# Altium PCB AX7021B.PcbDoc (part 4 of 6)
Units mil, origin at the board's own origin, x right, y up, seen from the top; angles counter-clockwise.
Board outline 5906.91 x 4331.71 mil, 4 copper layers (TOP, SGND, SVCC, BOTTOM), stack 63 mil thick; 463 components, 582 nets, 2114 pads, 861 vias.
Unrouted connection lines stored in the file: 129.
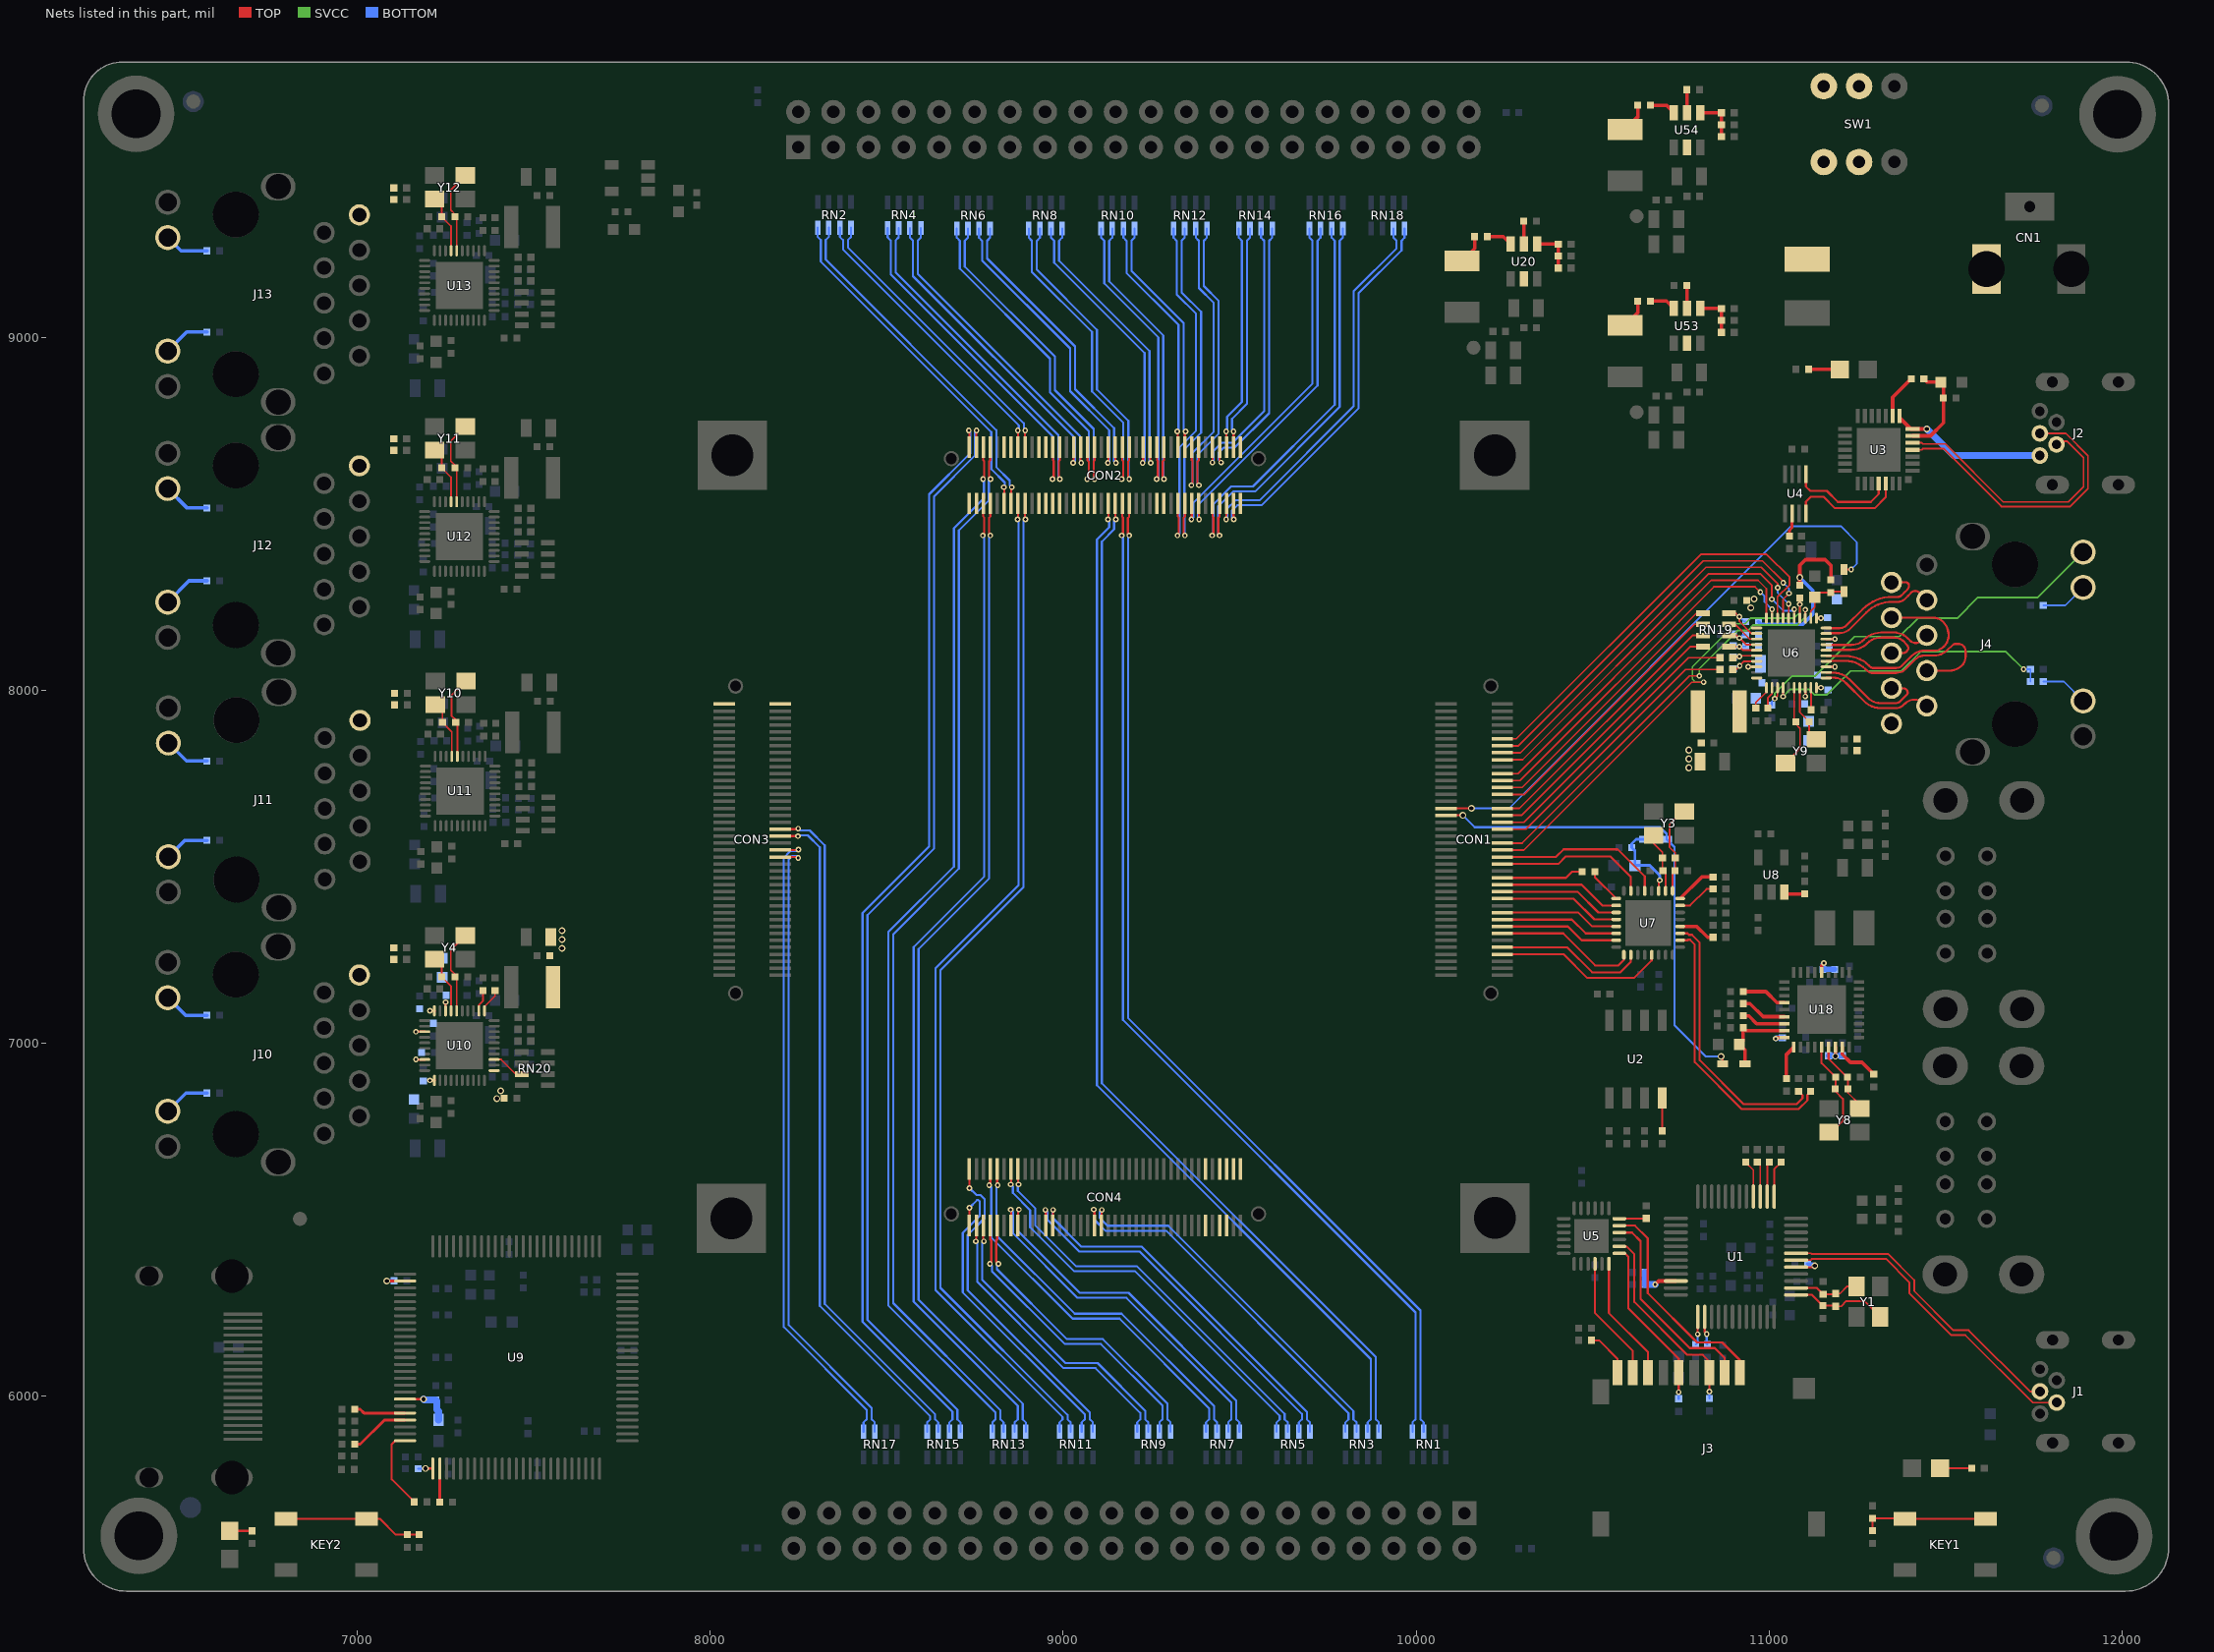
[diagram p6: the nets of this part, all layers, seen from the top]

## Via types
v1: diameter 16, hole 8, TOP to BOTTOM, 459 vias
v2: diameter 19, hole 12, TOP to BOTTOM, 320 vias
v3: diameter 19.69, hole 11.81, TOP to BOTTOM, 82 vias

## Nets (pads, with @x,y where several pads share a name; then routed paths per layer and width w, separated by ;. In a path a pad name is that pad's centre, name@x,y a point inside that pad or via, vN(x,y) a via of type N, cw(c..) or ccw(c..) an arc to the next point about the centre after c; other vN are vias at no path point) (continued)
IO1_2N: CON2.45 RN1.1 | length 2979.5
  TOP w6: v1(9166.4,8438.75) 9169.61,8441.96 9169.61,8490.26 9167.61,8492.26 CON2.45@9167.61,8529.5
  BOTTOM w6: v1(9166.4,8438.75) 9169.7,8435.45 9169.7,7066.52 9998.55,6237.67 9998.55,5935.12 9989.8,5926.37 RN1.1@9989.8,5900.43
IO1_2P: CON2.47 RN1.2 | length 2980.6
  TOP w6: CON2.47@9187.3,8529.5 9187.3,8492.33 9183.61,8488.64 9183.61,8442.54 v1(9187.4,8438.75)
  BOTTOM w6: v1(9187.4,8438.75) 9183.7,8435.05 9183.7,7072.32 10012.55,6243.47 10012.55,5935.12 10021.3,5926.37 RN1.2@10021.3,5900.43
IO1_3N: CON2.41 RN3.3 | length 2970.6
  TOP w6: v1(9127.05,8484.32) 9128.24,8485.51 CON2.41@9128.24,8529.5
  BOTTOM w6: v1(9127.05,8484.32) 9130.7,8480.67 9130.7,8462.12 9095.7,8427.12 9095.7,6881.52 9871.53,6105.69 9871.53,5935.12 9862.78,5926.37 RN3.3@9862.78,5900.43
IO1_3P: CON2.43 RN3.4 | length 2970.8
  TOP w6: CON2.43@9147.93,8529.5 9147.93,8485.44 v1(9149.05,8484.32)
  BOTTOM w6: v1(9149.05,8484.32) 9144.7,8479.97 9144.7,8456.32 9109.7,8421.32 9109.7,6887.32 9885.53,6111.49 9885.53,5935.12 9894.28,5926.37 RN3.4@9894.28,5900.43
IO1_4N: CON4.44 RN3.1 | length 1078.1
  TOP w6: v1(9086.7,6529.32) 9088.87,6527.15 CON4.44@9088.87,6484.5
  BOTTOM w6: v1(9086.7,6529.32) 9089.7,6526.32 9089.7,6499.32 9119.7,6469.32 9291.9,6469.32 9808.54,5952.68 9808.54,5935.12 9799.79,5926.37 RN3.1@9799.79,5900.43
IO1_4P: CON4.42 RN3.2 | length 1076.9
  TOP w6: CON4.42@9108.56,6484.5 9108.56,6527.18 v1(9109.7,6528.32)
  BOTTOM w6: v1(9109.7,6528.32) 9103.7,6522.32 9103.7,6505.12 9125.5,6483.32 9297.7,6483.32 9822.54,5958.48 9822.54,5935.12 9831.29,5926.37 RN3.2@9831.29,5900.43
IO1_5N: CON4.58 RN5.3 | length 1077.1
  TOP w6: v1(8949.7,6528.32) 8951.08,6526.94 CON4.58@8951.08,6484.5
  BOTTOM w6: v1(8949.7,6528.32) 8955.7,6522.32 8955.7,6500.52 9045.9,6410.32 9216.9,6410.32 9676.54,5950.68 9676.54,5935.12 9667.79,5926.37 RN5.3@9667.79,5900.43
IO1_5P: CON4.56 RN5.4 | length 1075.3
  TOP w6: CON4.56@8970.76,6484.5 8970.76,6527.38 v1(8971.7,6528.32)
  BOTTOM w6: v1(8971.7,6528.32) 8969.7,6526.32 8969.7,6506.32 9051.7,6424.32 9222.7,6424.32 9690.54,5956.48 9690.54,5935.12 9699.29,5926.37 RN5.4@9699.29,5900.43
IO1_6N: CON4.67 RN5.1 | length 1163.9
  TOP w6: v1(8851.7,6600.32) 8852.65,6601.27 CON4.67@8852.65,6643.94
  BOTTOM w6: v1(8851.7,6600.32) 8857.7,6594.32 8857.7,6576.52 8906.7,6527.52 8906.7,6479.52 9031.9,6354.32 9203.9,6354.32 9613.55,5944.67 9613.55,5935.12 9604.8,5926.37 RN5.1@9604.8,5900.43
IO1_6P: CON4.65 RN5.2 | length 1162.4
  TOP w6: CON4.65@8872.34,6643.94 8872.34,6601.68 v1(8873.7,6600.32)
  BOTTOM w6: v1(8873.7,6600.32) 8871.7,6598.32 8871.7,6582.32 8920.7,6533.32 8920.7,6485.32 9037.7,6368.32 9209.7,6368.32 9627.55,5950.47 9627.55,5935.12 9636.3,5926.37 RN5.2@9636.3,5900.43
IO1_7N: CON4.68 RN7.3 | length 1017.8
  TOP w6: v1(8851.7,6529.27) 8852.65,6528.32 CON4.68@8852.65,6484.5
  BOTTOM w6: v1(8851.7,6529.27) 8857.7,6523.27 8857.7,6462.52 9040.9,6279.32 9179.7,6279.32 9476.54,5982.48 9476.54,5935.12 9467.79,5926.37 RN7.3@9467.79,5900.43
IO1_7P: CON4.66 RN7.4 | length 1016.4
  TOP w6: CON4.66@8872.34,6484.5 8872.34,6526.96 v1(8874.7,6529.32)
  BOTTOM w6: v1(8874.7,6529.32) 8872.7,6527.32 8872.7,6467.32 9046.7,6293.32 9185.5,6293.32 9490.54,5988.28 9490.54,5935.12 9499.29,5926.37 RN7.4@9499.29,5900.43
IO1_8N: CON4.73 RN7.1 | length 1084.1
  TOP w6: v1(8790.7,6598.32) 8793.6,6601.22 CON4.73@8793.6,6643.94
  BOTTOM w6: v1(8790.7,6598.32) 8796.7,6592.32 8796.7,6450.52 9026.9,6220.32 9159.7,6220.32 9413.55,5966.47 9413.55,5935.12 9404.8,5926.37 RN7.1@9404.8,5900.43
IO1_8P: CON4.71 RN7.2 | length 1082.7
  TOP w6: CON4.71@8813.28,6643.94 8813.28,6599.74 v1(8814.7,6598.32)
  BOTTOM w6: v1(8814.7,6598.32) 8810.7,6594.32 8810.7,6456.32 9032.7,6234.32 9165.5,6234.32 9427.55,5972.27 9427.55,5935.12 9436.3,5926.37 RN7.2@9436.3,5900.43
IO1_9N: CON4.74 RN9.3 | length 852.7
  TOP w6: v1(8792.7,6375.32) 8796.44,6379.06 8796.44,6441.74 8793.6,6444.58 CON4.74@8793.6,6484.5
  BOTTOM w6: v1(8792.7,6375.32) 8798.7,6369.32 8798.7,6354.52 9004.9,6148.32 9106.9,6148.32 9281.54,5973.68 9281.54,5935.12 9272.79,5926.37 RN9.3@9272.79,5900.43
IO1_9P: CON4.72 RN9.4 | length 852.9
  TOP w6: CON4.72@8813.28,6484.5 8813.28,6444.58 8810.44,6441.74 8810.44,6381.58 v1(8816.7,6375.32)
  BOTTOM w6: v1(8816.7,6375.32) 8816.7,6375.22 8812.7,6371.22 8812.7,6360.32 9010.7,6162.32 9112.7,6162.32 9295.54,5979.48 9295.54,5935.12 9304.29,5926.37 RN9.4@9304.29,5900.43
IO1_10N: CON4.78 RN9.1 | length 834.6
  TOP w6: v1(8752.7,6439.32) 8754.23,6440.85 CON4.78@8754.23,6484.5
  BOTTOM w6: v1(8752.7,6439.32) 8756.7,6435.32 8756.7,6324.52 9000.9,6080.32 9091.9,6080.32 9218.55,5953.67 9218.55,5935.12 9209.8,5926.37 RN9.1@9209.8,5900.43
IO1_10P: CON4.76 RN9.2 | length 835.1
  TOP w6: CON4.76@8773.91,6484.5 8773.91,6441.11 v1(8775.7,6439.32)
  BOTTOM w6: v1(8775.7,6439.32) 8770.7,6434.32 8770.7,6330.32 9006.7,6094.32 9097.7,6094.32 9232.55,5959.47 9232.55,5935.12 9241.3,5926.37 RN9.2@9241.3,5900.43
IO1_11N: CON4.80 RN11.3 | length 908.6
  TOP w6: CON4.80@8734.54,6484.5 v1(8734.54,6534.48)
  BOTTOM w6: v1(8734.54,6534.48) 8756.38,6556.32 8759.9,6556.32 8763.7,6552.52 8763.7,6511.12 8715.7,6463.12 8715.7,6294.52 9061.54,5948.68 9061.54,5935.12 9052.79,5926.37 RN11.3@9052.79,5900.43
IO1_11P: CON4.79 RN11.4 | length 934.8
  TOP w6: v1(8734.54,6590.16) CON4.79@8734.54,6643.94
  BOTTOM w6: v1(8734.54,6590.16) 8754.38,6570.32 8765.7,6570.32 8777.7,6558.32 8777.7,6505.32 8729.7,6457.32 8729.7,6300.32 9075.54,5954.48 9075.54,5935.12 9084.29,5926.37 RN11.4@9084.29,5900.43
IO1_12N: CON2.15 RN11.1 | length 2880.6
  TOP w6: v1(8871.15,8484.32) 8872.34,8485.51 CON2.15@8872.34,8529.5
  BOTTOM w6: v1(8871.15,8484.32) 8873.7,8481.77 8873.7,7448.12 8638.7,7213.12 8638.7,6301.52 8998.55,5941.67 8998.55,5935.12 8989.8,5926.37 RN11.1@8989.8,5900.43
IO1_12P: CON2.17 RN11.2 | length 2881.8
  TOP w6: CON2.17@8892.02,8529.5 8892.03,8485.44 v1(8893.15,8484.32)
  BOTTOM w6: v1(8893.15,8484.32) 8887.7,8478.87 8887.7,7442.32 8652.7,7207.32 8652.7,6307.32 9012.55,5947.47 9012.55,5935.12 9021.3,5926.37 RN11.2@9021.3,5900.43
IO1_13N: CON2.5 RN13.3 | length 2841.5
  TOP w6: v1(8772.7,8438.75) 8775.91,8441.96 8775.91,8490.26 8773.91,8492.26 CON2.5@8773.91,8529.5
  BOTTOM w6: v1(8772.7,8438.75) 8776.7,8434.75 8776.7,7473.12 8576.7,7273.12 8576.7,6268.32 8871.53,5973.49 8871.53,5935.11 8862.78,5926.36 RN13.3@8862.78,5900.42
IO1_13P: CON2.7 RN13.4 | length 2842
  TOP w6: CON2.7@8793.6,8529.5 8793.6,8492.33 8789.91,8488.64 8789.91,8442.54 v1(8793.7,8438.75)
  BOTTOM w6: v1(8793.7,8438.75) 8790.7,8435.75 8790.7,7467.32 8590.7,7267.32 8590.7,6274.12 8885.53,5979.29 8885.53,5935.11 8894.28,5926.36 RN13.4@8894.28,5900.42
IO1_14N: CON2.6 RN13.1 | length 3033.7
  TOP w6: v1(8773.2,8598.45) 8776.47,8601.72 8776.47,8649.17 8773.91,8651.73 CON2.6@8773.91,8688.94
  BOTTOM w6: v1(8773.2,8598.45) 8775.7,8595.95 8775.7,8544.12 8690.7,8459.12 8690.7,7501.12 8504.7,7315.12 8504.7,6258.32 8808.54,5954.48 8808.54,5935.11 8799.79,5926.36 RN13.1@8799.79,5900.42
IO1_14P: CON2.8 RN13.2 | length 3035
  TOP w6: CON2.8@8793.6,8688.94 8793.6,8651.74 8790.47,8648.61 8790.47,8602.18 v1(8794.2,8598.45)
  BOTTOM w6: v1(8794.2,8598.45) 8789.7,8593.95 8789.7,8538.32 8704.7,8453.32 8704.7,7495.32 8518.7,7309.32 8518.7,6264.12 8822.54,5960.28 8822.54,5935.11 8831.29,5926.36 RN13.2@8831.29,5900.42
IO1_15N: CON2.2 RN15.3 | length 3121.6
  TOP w6: v1(8732.7,8736.5) 8734.54,8734.66 CON2.2@8734.54,8688.94
  BOTTOM w6: RN15.3@8677.78,5900.42 8677.78,5926.36 8686.53,5935.11 8686.53,5956.49 8431.7,6211.32 8431.7,7369.32 8620.7,7558.32 8620.7,8555.32 8736.7,8671.32 8736.7,8732.5 v1(8732.7,8736.5)
IO1_15P: CON2.4 RN15.4 | length 3120.6
  TOP w6: CON2.4@8754.23,8688.94 8754.23,8735.85 v1(8754.7,8736.32)
  BOTTOM w6: RN15.4@8709.28,5900.42 8709.28,5926.36 8700.53,5935.11 8700.53,5962.29 8445.7,6217.12 8445.7,7363.52 8634.7,7552.52 8634.7,8549.52 8750.7,8665.52 8750.7,8732.32 v1(8754.7,8736.32)
IO1_16N: CON3.41 RN15.1 | length 1914.7
  TOP w6: CON3.41@8199.12,7587.06 v1(8248.96,7587.06)
  BOTTOM w6: v1(8248.96,7587.06) 8251.22,7589.32 8276.66,7589.32 8310.77,7555.21 8310.77,6256.45 8623.54,5943.68 8623.54,5935.11 8614.79,5926.36 RN15.1@8614.79,5900.42
IO1_16P: CON3.43 RN15.2 | length 1939.7
  TOP w6: CON3.43@8199.12,7606.75 8248.13,7606.75 v1(8249.7,7608.32)
  BOTTOM w6: v1(8249.7,7608.32) 8254.7,7603.32 8282.46,7603.32 8324.77,7561.01 8324.77,6262.25 8637.54,5949.48 8637.54,5935.11 8646.29,5926.36 RN15.2@8646.29,5900.42
IO1_17N: CON3.37 RN17.1 | length 1829.2
  TOP w6: CON3.37@8199.12,7547.69 8249.33,7547.69 v1(8250.33,7548.69)
  BOTTOM w6: v1(8250.33,7548.69) 8245.96,7544.32 8226.7,7544.32 8208.81,7526.43 8208.81,6196.41 8443.54,5961.68 8443.54,5935.11 8434.79,5926.36 RN17.1@8434.79,5900.42
IO1_17P: CON3.35 RN17.2 | length 1805.7
  TOP w6: CON3.35@8199.12,7528.01 8247.01,7528.01 v1(8249.7,7525.32)
  BOTTOM w6: v1(8249.7,7525.32) 8244.7,7530.32 8232.5,7530.32 8222.81,7520.63 8222.81,6202.21 8457.54,5967.48 8457.54,5935.11 8466.29,5926.36 RN17.2@8466.29,5900.42
IO2_1N: CON2.13 RN2.3 | length 1003.6
  TOP w6: CON2.13@8852.65,8529.5 8852.65,8573.27 v1(8854.7,8575.32)
  BOTTOM w6: RN2.3@8336.29,9310.27 8336.29,9284.33 8327.54,9275.58 8327.54,9220.48 8810.7,8737.32 8810.7,8632.32 8848.7,8594.32 8848.7,8581.32 v1(8854.7,8575.32)
IO2_1P: CON2.11 RN2.4 | length 1002
  TOP w6: v1(8831.7,8575.32) 8832.97,8574.05 CON2.11@8832.97,8529.5
  BOTTOM w6: RN2.4@8304.79,9310.27 8304.79,9284.33 8313.54,9275.58 8313.54,9214.68 8796.7,8731.52 8796.7,8626.52 8834.7,8588.52 8834.7,8578.42 8831.7,8575.42 v1(8831.7,8575.32)
IO2_2N: CON2.18 RN2.1 | length 833.2
  TOP w6: CON2.18@8892.02,8688.94 8892.02,8735.64 v1(8892.7,8736.32)
  BOTTOM w6: RN2.1@8399.28,9310.27 8399.28,9284.33 8390.53,9275.58 8390.53,9254.49 8888.7,8756.32 8888.7,8740.32 v1(8892.7,8736.32)
IO2_2P: CON2.16 RN2.2 | length 833.4
  TOP w6: v1(8871.7,8736.32) 8872.34,8735.68 CON2.16@8872.34,8688.94
  BOTTOM w6: RN2.2@8367.78,9310.27 8367.78,9284.33 8376.53,9275.58 8376.53,9248.69 8874.7,8750.52 8874.7,8738.32 8872.7,8736.32 v1(8871.7,8736.32)
IO2_3N: CON2.28 RN4.3 | length 1000.6
  TOP w6: CON2.28@8990.45,8688.94 8990.45,8671.26 8990.44,8651.73 8987.47,8648.76 8987.47,8601.3 v1(8990.58,8598.19)
  BOTTOM w6: RN4.3@8534.29,9309.28 8534.29,9283.34 8525.54,9274.59 8525.54,9184.48 8986.7,8723.32 8986.7,8602.07 v1(8990.58,8598.19)
IO2_3P: CON2.26 RN4.4 | length 1000.5
  TOP w6: v1(8969.58,8598.19) 8973.47,8602.08 8973.47,8649.02 8970.76,8651.73 CON2.26@8970.76,8688.94
  BOTTOM w6: RN4.4@8502.79,9309.28 8502.79,9283.34 8511.54,9274.59 8511.54,9178.68 8972.7,8717.52 8972.7,8601.31 v1(8969.58,8598.19)
IO2_4N: CON2.34 RN4.1 | length 905.8
  TOP w6: CON2.34@9049.5,8688.94 9049.5,8673.26 9049.49,8646.07 v1(9051.31,8644.25)
  BOTTOM w6: RN4.1@8597.28,9309.28 8597.28,9283.34 8588.53,9274.59 8588.53,9179.29 9047.7,8720.12 9047.7,8647.86 v1(9051.31,8644.25)
IO2_4P: CON2.32 RN4.2 | length 906.4
  TOP w6: v1(9028.31,8644.25) 9029.81,8645.75 9029.81,8671.25 CON2.32@9029.82,8688.94
  BOTTOM w6: RN4.2@8565.78,9309.28 8565.78,9283.34 8574.53,9274.59 8574.53,9173.49 9033.7,8714.32 9033.7,8649.64 v1(9028.31,8644.25)
IO2_5N: CON2.38 RN6.3 | length 958.7
  TOP w6: CON2.38@9088.87,8688.94 9088.87,8671.26 9088.86,8651.73 9086.47,8649.34 9086.47,8600.72 v1(9089,8598.19)
  BOTTOM w6: RN6.3@8730.29,9308.28 8730.29,9282.34 8721.54,9273.59 8721.54,9200.48 8976.7,8945.32 8976.7,8850.32 9086.7,8740.32 9086.7,8600.49 v1(9089,8598.19)
IO2_5P: CON2.36 RN6.4 | length 960.9
  TOP w6: v1(9068,8598.19) 9072.47,8602.66 9072.47,8648.44 9069.18,8651.73 9069.18,8669.25 CON2.36@9069.19,8688.94
  BOTTOM w6: RN6.4@8698.79,9308.28 8698.79,9282.34 8707.54,9273.59 8707.54,9194.68 8962.7,8939.52 8962.7,8844.52 9072.7,8734.52 9072.7,8602.89 v1(9068,8598.19)
IO2_6N: CON2.44 RN6.1 | length 864.4
  TOP w6: CON2.44@9147.93,8688.94 9147.91,8646.07 v1(9149.73,8644.25)
  BOTTOM w6: RN6.1@8793.28,9308.28 8793.28,9282.34 8784.53,9273.59 8784.53,9223.49 9033.7,8974.32 9033.7,8853.32 9144.7,8742.32 9144.7,8649.28 v1(9149.73,8644.25)
IO2_6P: CON2.42 RN6.2 | length 863.8
  TOP w6: v1(9126.73,8644.25) 9128.23,8645.75 9128.23,8678.25 CON2.42@9128.24,8688.94
  BOTTOM w6: RN6.2@8761.78,9308.28 8761.78,9282.34 8770.53,9273.59 8770.53,9217.69 9019.7,8968.52 9019.7,8847.52 9130.7,8736.52 9130.7,8648.22 v1(9126.73,8644.25)
IO2_7N: CON2.48 RN8.3 | length 915.3
  TOP w6: CON2.48@9187.3,8688.94 9187.3,8680.27 9187.28,8651.73 9184.47,8648.92 9184.47,8601.14 v1(9187.42,8598.19)
  BOTTOM w6: RN8.3@8934.29,9308.28 8934.29,9282.34 8925.54,9273.59 8925.54,9191.28 9095.7,9021.12 9095.7,8852.32 9184.7,8763.32 9184.7,8600.91 v1(9187.42,8598.19)
IO2_7P: CON2.46 RN8.4 | length 916.5
  TOP w6: v1(9166.42,8598.19) 9170.47,8602.24 9170.47,8648.86 9167.6,8651.73 9167.6,8680.25 CON2.46@9167.61,8688.94
  BOTTOM w6: RN8.4@8902.79,9308.28 8902.79,9282.34 8911.54,9273.59 8911.54,9185.48 9081.7,9015.32 9081.7,8846.52 9170.7,8757.52 9170.7,8602.47 v1(9166.42,8598.19)
IO2_8N: CON2.54 RN8.1 | length 820.6
  TOP w6: CON2.54@9246.35,8688.94 9246.35,8681.27 9246.33,8646.07 v1(9248.15,8644.25)
  BOTTOM w6: RN8.1@8997.28,9308.28 8997.28,9282.34 8988.53,9273.59 8988.53,9217.29 9244.7,8961.12 9244.7,8647.7 v1(9248.15,8644.25)
IO2_8P: CON2.52 RN8.2 | length 821.4
  TOP w6: v1(9225.15,8644.25) 9226.65,8645.75 9226.65,8679.25 CON2.52@9226.67,8688.94
  BOTTOM w6: RN8.2@8965.78,9308.28 8965.78,9282.34 8974.53,9273.59 8974.53,9211.49 9230.7,8955.32 9230.7,8649.8 v1(9225.15,8644.25)
IO2_9N: CON2.58 RN10.3 | length 871.5
  TOP w6: CON2.58@9285.72,8688.94 9285.72,8679.27 9285.7,8651.73 9282.47,8648.5 9282.47,8601.56 v1(9285.84,8598.19)
  BOTTOM w6: RN10.3@9139.29,9308.28 9139.29,9282.34 9130.54,9273.59 9130.54,9158.48 9283.7,9005.32 9283.7,8600.33 v1(9285.84,8598.19)
IO2_9P: CON2.56 RN10.4 | length 872.4
  TOP w6: v1(9264.84,8598.19) 9268.47,8601.82 9268.47,8649.28 9266.02,8651.73 CON2.56@9266.02,8677.25 ; CON2.56@9266.04,8677.27 CON2.56@9266.04,8688.94
  BOTTOM w6: RN10.4@9107.79,9308.28 9107.79,9282.34 9116.54,9273.59 9116.54,9152.68 9269.7,8999.52 9269.7,8603.05 v1(9264.84,8598.19)
IO2_10N: CON2.64 RN10.1 | length 687.2
  TOP w6: CON2.64@9344.78,8688.94 9344.78,8731.4 v1(9346.7,8733.32)
  BOTTOM w6: RN10.1@9202.28,9308.28 9202.28,9282.34 9193.53,9273.59 9193.53,9188.49 9340.99,9041.03 9340.99,8739.03 v1(9346.7,8733.32)
IO2_10P: CON2.62 RN10.2 | length 686
  TOP w6: v1(9323.7,8733.32) 9325.09,8731.93 CON2.62@9325.09,8688.94
  BOTTOM w6: RN10.2@9170.78,9308.28 9170.78,9282.34 9179.53,9273.59 9179.53,9182.69 9326.99,9035.23 9326.99,8736.61 v1(9323.7,8733.32)
IO2_11N: CON2.63 RN12.3 | length 1009.8
  TOP w6: CON2.63@9344.78,8529.5 9344.78,8492.33 9341.09,8488.64 9341.09,8442.54 v1(9344.88,8438.75)
  BOTTOM w6: RN12.3@9344.29,9308.27 9344.29,9282.33 9335.54,9273.58 9335.54,9127.48 9390.7,9072.32 9390.7,8729.52 9343.7,8682.52 9343.7,8439.93 v1(9344.88,8438.75)
IO2_11P: CON2.61 RN12.4 | length 1010.8
  TOP w6: v1(9323.88,8438.75) 9327.09,8441.96 9327.09,8490.26 9325.09,8492.26 CON2.61@9325.09,8529.5
  BOTTOM w6: RN12.4@9312.79,9308.27 9312.79,9282.33 9321.54,9273.58 9321.54,9121.68 9376.7,9066.52 9376.7,8735.32 9329.7,8688.32 9329.7,8444.57 v1(9323.88,8438.75)
IO2_12N: CON2.68 RN12.1 | length 885.3
  TOP w6: CON2.68@9384.12,8678.25 9384.12,8651.73 9380.47,8648.08 9380.47,8584.98 v1(9384.26,8581.19) ; CON2.68@9384.15,8678.28 CON2.68@9384.15,8688.94
  BOTTOM w6: v1(9384.26,8581.19) 9380.7,8584.75 9380.7,8667.32 9440.7,8727.32 9440.7,9103.32 9398.53,9145.49 9398.53,9273.58 9407.28,9282.33 RN12.1@9407.28,9308.27
IO2_12P: CON2.66 RN12.2 | length 884.4
  TOP w6: v1(9363.26,8581.19) 9366.47,8584.4 9366.47,8649.7 9364.44,8651.73 9364.44,8675.25 CON2.66@9364.46,8688.94
  BOTTOM w6: v1(9363.26,8581.19) 9366.7,8584.63 9366.7,8673.12 9426.7,8733.12 9426.7,9097.52 9384.53,9139.69 9384.53,9273.58 9375.78,9282.33 RN12.2@9375.78,9308.27
IO2_13N: CON2.78 RN14.3 | length 642
  TOP w6: CON2.78@9482.57,8688.94 9482.57,8733.08 v1(9482.68,8733.19)
  BOTTOM w6: v1(9482.68,8733.19) 9478.7,8737.17 9478.7,8769.32 9520.54,8811.16 9520.54,9273.58 9529.29,9282.33 RN14.3@9529.29,9308.27
IO2_13P: CON2.76 RN14.4 | length 642
  TOP w6: v1(9461.68,8733.19) 9462.89,8731.98 CON2.76@9462.89,8688.94
  BOTTOM w6: v1(9461.68,8733.19) 9464.7,8736.21 9464.7,8775.12 9506.54,8816.96 9506.54,9273.58 9497.79,9282.33 RN14.4@9497.79,9308.27
IO2_14N: CON2.74 RN14.1 | length 792.3
  TOP w6: CON2.74@9443.2,8688.94 9443.2,8649.82 v1(9447.7,8645.32)
  BOTTOM w6: v1(9447.7,8645.32) 9440.7,8652.32 9440.7,8673.32 9454.7,8687.32 9485.7,8687.32 9583.53,8785.15 9583.53,9273.58 9592.28,9282.33 RN14.1@9592.28,9308.27
IO2_14P: CON2.72 RN14.2 | length 789.5
  TOP w6: v1(9422.7,8645.32) 9423.52,8646.14 CON2.72@9423.52,8688.94
  BOTTOM w6: v1(9422.7,8645.32) 9426.7,8649.32 9426.7,8679.12 9448.9,8701.32 9479.9,8701.32 9569.53,8790.95 9569.53,9273.58 9560.78,9282.33 RN14.2@9560.78,9308.27
IO2_15N: CON2.67 RN16.3 | length 1014.2
  TOP w6: CON2.67@9384.15,8529.5 9384.15,8485.44 v1(9385.27,8484.32)
  BOTTOM w6: v1(9385.27,8484.32) 9382.7,8486.89 9382.7,8525.32 9720.54,8863.16 9720.54,9273.58 9729.29,9282.33 RN16.3@9729.29,9308.27
IO2_15P: CON2.65 RN16.4 | length 1015.4
  TOP w6: v1(9363.27,8484.32) 9364.46,8485.51 CON2.65@9364.46,8529.5
  BOTTOM w6: v1(9363.27,8484.32) 9368.7,8489.75 9368.7,8531.12 9706.54,8868.96 9706.54,9273.58 9697.79,9282.33 RN16.4@9697.79,9308.27
IO2_16N: CON2.73 RN16.1 | length 1147.2
  TOP w6: CON2.73@9443.17,8512.32 9443.17,8492.29 9439.52,8488.64 9439.52,8442.54 v1(9443.31,8438.75) ; CON2.73@9443.2,8512.35 CON2.73@9443.2,8529.5
  BOTTOM w6: v1(9443.31,8438.75) 9439.7,8442.36 9439.7,8521.32 9481.7,8563.32 9543.7,8563.32 9783.53,8803.15 9783.53,9273.58 9792.28,9282.33 RN16.1@9792.28,9308.27
IO2_16P: CON2.71 RN16.2 | length 1146.2
  TOP w6: v1(9422.31,8438.75) 9425.52,8441.96 9425.52,8490.26 9423.52,8492.26 CON2.71@9423.52,8529.5
  BOTTOM w6: v1(9422.31,8438.75) 9425.7,8442.14 9425.7,8527.12 9475.9,8577.32 9537.9,8577.32 9769.53,8808.95 9769.53,9273.58 9760.78,9282.33 RN16.2@9760.78,9308.27
IO2_17N: CON2.77 RN18.1 | length 1114.3
  TOP w6: CON2.77@9482.57,8529.5 9482.57,8485.45 v1(9483.7,8484.32)
  BOTTOM w6: v1(9483.7,8484.32) 9478.7,8489.32 9478.7,8509.32 9493.7,8524.32 9562.5,8524.32 9836.7,8798.52 9836.7,9124.32 9958.53,9246.15 9958.53,9273.58 9967.28,9282.33 RN18.1@9967.28,9308.27
IO2_17P: CON2.75 RN18.2 | length 1113.5
  TOP w6: v1(9461.7,8484.32) 9462.89,8485.51 CON2.75@9462.89,8529.5
  BOTTOM w6: v1(9461.7,8484.32) 9464.7,8487.32 9464.7,8515.12 9487.9,8538.32 9556.7,8538.32 9822.7,8804.32 9822.7,9130.12 9944.53,9251.95 9944.53,9273.58 9935.78,9282.33 RN18.2@9935.78,9308.27
N16524379: J3.1 U5.23 | length 625.1
  TOP w6: U5.23@10575.61,6483.88 10620.01,6483.88 10656.04,6447.85 10656.04,6292.85 10796.04,6152.85 10867.04,6152.85 10917.04,6102.85 J3.1@10917.04,6067.85
N16524383: J3.2 U5.22 | length 582.6
  TOP w6: U5.22@10575.61,6464.19 10611.7,6464.19 10636.04,6439.85 10636.04,6275.85 10775.04,6136.85 10846.04,6136.85 10873.73,6109.16 J3.2@10873.73,6067.85
N16524395: J3.3 R17.1 U5.20 | length 573.5
  TOP w6: U5.20@10575.61,6424.82 10596.07,6424.82 10618.04,6402.85 10618.04,6267.85 10768.04,6117.85 10812.04,6117.85 10830.43,6099.46 J3.3@10830.43,6067.85 v1(10830.43,6013.46)
  BOTTOM w6: v1(10830.43,6013.46) 10830.58,6013.31 R17.1@10830.58,5994.67
N16524421: J3.5 R16.1 U5.19 | length 490.8
  TOP w6: U5.19@10575.61,6405.14 10591.75,6405.14 10601.04,6395.85 10601.04,6249.85 10743.81,6107.08 J3.5@10743.81,6067.85 v1(10743.81,6011.9)
  BOTTOM w6: R16.1@10743.76,5993.49 10743.76,6011.85 v1(10743.81,6011.9)
N16524425: J3.7 U5.18 | length 353.8
  TOP w6: U5.18@10546.08,6375.61 10546.08,6236.07 10657.2,6124.95 J3.7@10657.2,6067.85
N16524429: J3.8 U5.16 | length 352.2
  TOP w6: U5.16@10506.71,6375.61 10506.71,6236.18 10613.89,6129 J3.8@10613.89,6067.85
N16546528: R18.2 U5.24 | length 76.6
  TOP w5: U5.24@10575.61,6503.56 10651.1,6503.56 R18.2@10651.85,6504.31
N16579258: J3.9 R20.1 | length 134.4
  TOP w6: R20.1@10496.6,6158.98 10518.15,6158.98 10570.58,6106.55 J3.9@10570.58,6067.85
N17796323: CN1.3 SW1.2 SW1.5
N19724336: F2.1 SW1.3 SW1.6
N20033644: LED9.2 R137.2 | length 88.7
  TOP w10: R137.2@11111.99,8909.38 11131.99,8909.38 11132.39,8908.98 LED9.2@11200.52,8908.98

## Text inside footprints (layer, text, board x,y; h text height)
U11: PIN_NUMBER "41" at 7291.94,7714.74 h0.01; PIN_NUMBER "29" at 7390.36,7769.85 h0.01 r90; PIN_NUMBER "13" at 7252.57,7616.31 h0.01; PIN_NUMBER "14" at 7268.31,7616.31 h0.01; PIN_NUMBER "12" at 7236.82,7616.31 h0.01; PIN_NUMBER "20" at 7362.8,7616.31 h0.01; PIN_NUMBER "19" at 7347.05,7616.31 h0.01; PIN_NUMBER "15" at 7284.06,7616.31 h0.01; PIN_NUMBER "16" at 7299.81,7616.31 h0.01; PIN_NUMBER "17" at 7315.56,7616.31 h0.01; PIN_NUMBER "18" at 7331.31,7616.31 h0.01; PIN_NUMBER "4" at 7193.52,7738.36 h0.01 r90; PIN_NUMBER "10" at 7193.51,7643.87 h0.01 r90; PIN_NUMBER "7" at 7193.52,7691.11 h0.01 r90; PIN_NUMBER "1" at 7193.52,7785.6 h0.01 r90; PIN_NUMBER "6" at 7193.52,7706.86 h0.01 r90; PIN_NUMBER "5" at 7193.52,7722.61 h0.01 r90; PIN_NUMBER "9" at 7193.52,7659.62 h0.01 r90; PIN_NUMBER "2" at 7193.52,7769.85 h0.01 r90; PIN_NUMBER "35" at 7299.81,7813.16 h0.01; PIN_NUMBER "36" at 7284.06,7813.16 h0.01; PIN_NUMBER "37" at 7268.31,7813.16 h0.01; PIN_NUMBER "28" at 7390.36,7754.11 h0.01 r90; PIN_NUMBER "27" at 7390.36,7738.36 h0.01 r90; PIN_NUMBER "26" at 7390.36,7722.61 h0.01 r90; PIN_NUMBER "22" at 7390.36,7659.62 h0.01 r90; PIN_NUMBER "23" at 7390.36,7675.37 h0.01 r90; PIN_NUMBER "24" at 7390.36,7691.11 h0.01 r90; PIN_NUMBER "25" at 7390.36,7706.86 h0.01 r90; PIN_NUMBER "32" at 7347.05,7813.16 h0.01; PIN_NUMBER "33" at 7331.31,7813.16 h0.01; PIN_NUMBER "34" at 7315.56,7813.16 h0.01; PIN_NUMBER "31" at 7362.8,7813.16 h0.01; PIN_NUMBER "39" at 7236.82,7813.16 h0.01; PIN_NUMBER "30" at 7390.36,7785.6 h0.01 r90; PIN_NUMBER "8" at 7193.52,7675.37 h0.01 r90; PIN_NUMBER "3" at 7193.52,7754.11 h0.01 r90; PIN_NUMBER "38" at 7252.57,7813.16 h0.01; PIN_NUMBER "21" at 7390.36,7643.87 h0.01 r90; PIN_NUMBER "11" at 7221.07,7616.31 h0.01; PIN_NUMBER "40" at 7221.07,7813.16 h0.01
U12: PIN_NUMBER "41" at 7289.94,8435.74 h0.01; PIN_NUMBER "29" at 7388.36,8490.85 h0.01 r90; PIN_NUMBER "7" at 7191.52,8412.11 h0.01 r90; PIN_NUMBER "4" at 7191.52,8459.36 h0.01 r90; PIN_NUMBER "10" at 7191.51,8364.87 h0.01 r90; PIN_NUMBER "5" at 7191.52,8443.61 h0.01 r90; PIN_NUMBER "9" at 7191.52,8380.62 h0.01 r90; PIN_NUMBER "2" at 7191.52,8490.85 h0.01 r90; PIN_NUMBER "12" at 7234.82,8337.31 h0.01; PIN_NUMBER "14" at 7266.31,8337.31 h0.01; PIN_NUMBER "6" at 7191.52,8427.86 h0.01 r90; PIN_NUMBER "13" at 7250.57,8337.31 h0.01; PIN_NUMBER "1" at 7191.52,8506.6 h0.01 r90; PIN_NUMBER "18" at 7329.31,8337.31 h0.01; PIN_NUMBER "17" at 7313.56,8337.31 h0.01; PIN_NUMBER "16" at 7297.81,8337.31 h0.01; PIN_NUMBER "15" at 7282.06,8337.31 h0.01; PIN_NUMBER "19" at 7345.05,8337.31 h0.01; PIN_NUMBER "20" at 7360.8,8337.31 h0.01; PIN_NUMBER "35" at 7297.81,8534.16 h0.01; PIN_NUMBER "36" at 7282.06,8534.16 h0.01; PIN_NUMBER "37" at 7266.31,8534.16 h0.01; PIN_NUMBER "28" at 7388.36,8475.11 h0.01 r90; PIN_NUMBER "24" at 7388.36,8412.11 h0.01 r90; PIN_NUMBER "25" at 7388.36,8427.86 h0.01 r90; PIN_NUMBER "22" at 7388.36,8380.62 h0.01 r90; PIN_NUMBER "26" at 7388.36,8443.61 h0.01 r90; PIN_NUMBER "27" at 7388.36,8459.36 h0.01 r90; PIN_NUMBER "23" at 7388.36,8396.37 h0.01 r90; PIN_NUMBER "39" at 7234.82,8534.16 h0.01; PIN_NUMBER "31" at 7360.8,8534.16 h0.01; PIN_NUMBER "34" at 7313.56,8534.16 h0.01; PIN_NUMBER "33" at 7329.31,8534.16 h0.01; PIN_NUMBER "32" at 7345.05,8534.16 h0.01; PIN_NUMBER "8" at 7191.52,8396.37 h0.01 r90; PIN_NUMBER "3" at 7191.52,8475.11 h0.01 r90; PIN_NUMBER "38" at 7250.57,8534.16 h0.01; PIN_NUMBER "21" at 7388.36,8364.87 h0.01 r90; PIN_NUMBER "11" at 7219.07,8337.31 h0.01; PIN_NUMBER "40" at 7219.07,8534.16 h0.01; PIN_NUMBER "30" at 7388.36,8506.6 h0.01 r90
U13: PIN_NUMBER "41" at 7289.94,9146.74 h0.01; PIN_NUMBER "29" at 7388.36,9201.85 h0.01 r90; PIN_NUMBER "10" at 7191.51,9075.87 h0.01 r90; PIN_NUMBER "9" at 7191.52,9091.62 h0.01 r90; PIN_NUMBER "7" at 7191.52,9123.11 h0.01 r90; PIN_NUMBER "6" at 7191.52,9138.86 h0.01 r90; PIN_NUMBER "5" at 7191.52,9154.61 h0.01 r90; PIN_NUMBER "4" at 7191.52,9170.36 h0.01 r90; PIN_NUMBER "2" at 7191.52,9201.85 h0.01 r90; PIN_NUMBER "1" at 7191.52,9217.6 h0.01 r90; PIN_NUMBER "12" at 7234.82,9048.31 h0.01; PIN_NUMBER "14" at 7266.31,9048.31 h0.01; PIN_NUMBER "13" at 7250.57,9048.31 h0.01; PIN_NUMBER "18" at 7329.31,9048.31 h0.01; PIN_NUMBER "17" at 7313.56,9048.31 h0.01; PIN_NUMBER "16" at 7297.81,9048.31 h0.01; PIN_NUMBER "15" at 7282.06,9048.31 h0.01; PIN_NUMBER "19" at 7345.05,9048.31 h0.01; PIN_NUMBER "20" at 7360.8,9048.31 h0.01; PIN_NUMBER "35" at 7297.81,9245.16 h0.01; PIN_NUMBER "28" at 7388.36,9186.11 h0.01 r90; PIN_NUMBER "24" at 7388.36,9123.11 h0.01 r90; PIN_NUMBER "25" at 7388.36,9138.86 h0.01 r90; PIN_NUMBER "22" at 7388.36,9091.62 h0.01 r90; PIN_NUMBER "26" at 7388.36,9154.61 h0.01 r90; PIN_NUMBER "27" at 7388.36,9170.36 h0.01 r90; PIN_NUMBER "39" at 7234.82,9245.16 h0.01; PIN_NUMBER "31" at 7360.8,9245.16 h0.01; PIN_NUMBER "34" at 7313.56,9245.16 h0.01; PIN_NUMBER "33" at 7329.31,9245.16 h0.01; PIN_NUMBER "32" at 7345.05,9245.16 h0.01; PIN_NUMBER "8" at 7191.52,9107.37 h0.01 r90; PIN_NUMBER "3" at 7191.52,9186.11 h0.01 r90; PIN_NUMBER "38" at 7250.57,9245.16 h0.01; PIN_NUMBER "21" at 7388.36,9075.87 h0.01 r90; PIN_NUMBER "30" at 7388.36,9217.6 h0.01 r90; PIN_NUMBER "11" at 7219.07,9048.31 h0.01; PIN_NUMBER "40" at 7219.07,9245.16 h0.01; PIN_NUMBER "23" at 7388.36,9107.37 h0.01 r90; PIN_NUMBER "36" at 7282.06,9245.16 h0.01; PIN_NUMBER "37" at 7266.31,9245.16 h0.01
U18: PIN_NUMBER "13" at 11148.23,7201.16 h25 r90; PIN_NUMBER "17" at 11069.48,7201.16 h25 r90; PIN_NUMBER "19" at 11022.73,7174.09 h25 r90; PIN_NUMBER "21" at 11022.73,7134.72 h25 r90; PIN_NUMBER "12" at 11167.91,7201.16 h25 r90; PIN_NUMBER "11" at 11187.6,7201.16 h25 r90; PIN_NUMBER "16" at 11089.17,7201.16 h25 r90; PIN_NUMBER "18" at 11049.8,7201.16 h25 r90; PIN_NUMBER "20" at 11022.73,7154.41 h25 r90; PIN_NUMBER "37" at 11128.54,7095.35 h25 r90; PIN_NUMBER "10" at 11207.28,7201.16 h25 r90; PIN_NUMBER "15" at 11108.85,7201.16 h25 r90; PIN_NUMBER "5" at 11244.35,7095.35 h25 r90; PIN_NUMBER "23" at 11022.73,7095.35 h25 r90; PIN_NUMBER "36" at 11207.28,6989.54 h25 r90; PIN_NUMBER "29" at 11069.48,6989.54 h25 r90; PIN_NUMBER "30" at 11089.17,6989.54 h25 r90; PIN_NUMBER "31" at 11108.85,6989.54 h25 r90; PIN_NUMBER "28" at 11049.8,6989.54 h25 r90; PIN_NUMBER "22" at 11022.73,7115.04 h25 r90; PIN_NUMBER "24" at 11022.73,7075.66 h25 r90; PIN_NUMBER "25" at 11022.73,7055.98 h25 r90; PIN_NUMBER "34" at 11167.91,6989.54 h25 r90; PIN_NUMBER "14" at 11128.54,7201.16 h25 r90; PIN_NUMBER "33" at 11148.23,6989.54 h25 r90; PIN_NUMBER "32" at 11128.54,6989.54 h25 r90; PIN_NUMBER "35" at 11187.6,6989.54 h25 r90; PIN_NUMBER "3" at 11244.35,7055.98 h25 r90; PIN_NUMBER "4" at 11244.35,7075.66 h25 r90; PIN_NUMBER "6" at 11244.35,7115.04 h25 r90; PIN_NUMBER "7" at 11244.35,7134.72 h25 r90; PIN_NUMBER "8" at 11244.35,7154.41 h25 r90; PIN_NUMBER "9" at 11244.35,7174.09 h25 r90; PIN_NUMBER "1" at 11244.35,7016.61 h25 r90; PIN_NUMBER "2" at 11244.35,7036.29 h25 r90; PIN_NUMBER "27" at 11022.73,7016.61 h25 r90; PIN_NUMBER "26" at 11022.73,7036.29 h25 r90; DIMENSION "19.68" at 11088.04,7220.35 h25 r90; DIMENSION "0.5" at 11088.04,7374.35 h25 r90; DIMENSION "157.48" at 11346.04,6976.35 h25 r90; DIMENSION "4" at 11346.04,7152.35 h25 r90; DIMENSION "242.00" at 10989.04,6928.35 h25 r90; DIMENSION "6.15" at 10989.04,7104.35 h25 r90
U19: PIN_NUMBER "4" at 7711.94,9488.32 h25 r90; PIN_NUMBER "2" at 7813.9,9450.92 h25 r90; PIN_NUMBER "1" at 7813.9,9413.52 h25 r90; PIN_NUMBER "3" at 7813.9,9488.32 h25 r90; PIN_NUMBER "5" at 7711.94,9413.52 h25 r90; DIMENSION "2.59" at 7785.42,9691.92 h25 r90; DIMENSION "101.96" at 7785.42,9513.92 h25 r90; DIMENSION "0.95" at 7910.42,9470.92 h25 r90; DIMENSION "37.40" at 7910.42,9314.92 h25 r90
U20: PIN_NUMBER "1" at 10257.67,9165.75 h25; PIN_NUMBER "3" at 10332.47,9165.75 h25; PIN_NUMBER "6" at 10257.67,9264.17 h25; PIN_NUMBER "2" at 10295.07,9165.75 h25; PIN_NUMBER "4" at 10332.47,9264.17 h25; PIN_NUMBER "5" at 10295.07,9264.17 h25
U53: PIN_NUMBER "1" at 10719.71,8983.21 h25; PIN_NUMBER "3" at 10794.51,8983.21 h25; PIN_NUMBER "6" at 10719.71,9081.63 h25; PIN_NUMBER "4" at 10794.51,9081.63 h25; PIN_NUMBER "2" at 10757.11,8983.21 h25; PIN_NUMBER "5" at 10757.11,9081.63 h25
U54: PIN_NUMBER "1" at 10719.71,9537.96 h25; PIN_NUMBER "3" at 10794.51,9537.96 h25; PIN_NUMBER "6" at 10719.71,9636.38 h25; PIN_NUMBER "4" at 10794.51,9636.38 h25; PIN_NUMBER "2" at 10757.11,9537.96 h25; PIN_NUMBER "5" at 10757.11,9636.38 h25
Y1: PIN_NUMBER "4" at 11237.48,6225.14 h25 r90; PIN_NUMBER "2" at 11304.4,6311.76 h25 r90; PIN_NUMBER "1" at 11304.4,6225.14 h25 r90; PIN_NUMBER "3" at 11237.48,6311.76 h25 r90; DIMENSION "1.7" at 11288.44,6504.45 h25 r90; DIMENSION "66.92" at 11288.44,6348.45 h25 r90; DIMENSION "2.2" at 11393.44,6334.45 h25 r90; DIMENSION "86.62" at 11393.44,6178.45 h25 r90
Y3: PIN_NUMBER "2" at 10749.67,7589.82 h25; PIN_NUMBER "4" at 10663.05,7656.74 h25; PIN_NUMBER "3" at 10749.67,7656.74 h25; PIN_NUMBER "1" at 10663.05,7589.82 h25; DIMENSION "1.7" at 10952.36,7615.78 h25; DIMENSION "66.92" at 10796.36,7615.78 h25; DIMENSION "2.2" at 10782.36,7510.78 h25; DIMENSION "86.62" at 10626.36,7510.78 h25
Y4: PIN_NUMBER "4" at 7296.44,7238.3 h25 r180; PIN_NUMBER "2" at 7209.82,7305.22 h25 r180; PIN_NUMBER "1" at 7296.44,7305.22 h25 r180; PIN_NUMBER "3" at 7209.82,7238.3 h25 r180; DIMENSION "1.7" at 7027.13,7279.26 h25 r180; DIMENSION "66.92" at 7183.13,7279.26 h25 r180; DIMENSION "2.2" at 7197.13,7384.26 h25 r180; DIMENSION "86.62" at 7353.13,7384.26 h25 r180
Y8: PIN_NUMBER "2" at 11246.29,6748.73 h25; PIN_NUMBER "4" at 11159.67,6815.65 h25; PIN_NUMBER "3" at 11246.29,6815.65 h25; PIN_NUMBER "1" at 11159.67,6748.73 h25; DIMENSION "1.7" at 11448.98,6774.69 h25; DIMENSION "66.92" at 11292.98,6774.69 h25; DIMENSION "2.2" at 11278.98,6669.69 h25; DIMENSION "86.62" at 11122.98,6669.69 h25
Y9: PIN_NUMBER "4" at 11036.65,7861.39 h25; PIN_NUMBER "2" at 11123.27,7794.47 h25; PIN_NUMBER "1" at 11036.65,7794.47 h25; PIN_NUMBER "3" at 11123.27,7861.39 h25; DIMENSION "1.7" at 11325.96,7820.43 h25; DIMENSION "66.92" at 11169.96,7820.43 h25; DIMENSION "2.2" at 11155.96,7715.43 h25; DIMENSION "86.62" at 10999.96,7715.43 h25
Y10: PIN_NUMBER "2" at 7211.81,8026.23 h25 r180; PIN_NUMBER "4" at 7298.43,7959.31 h25 r180; PIN_NUMBER "1" at 7298.43,8026.23 h25 r180; PIN_NUMBER "3" at 7211.81,7959.31 h25 r180; DIMENSION "1.7" at 7029.12,8000.27 h25 r180; DIMENSION "66.92" at 7185.12,8000.27 h25 r180; DIMENSION "2.2" at 7199.12,8105.27 h25 r180; DIMENSION "86.62" at 7355.12,8105.27 h25 r180
Y11: PIN_NUMBER "2" at 7209.81,8747.23 h25 r180; PIN_NUMBER "4" at 7296.43,8680.31 h25 r180; PIN_NUMBER "1" at 7296.43,8747.23 h25 r180; PIN_NUMBER "3" at 7209.81,8680.31 h25 r180; DIMENSION "1.7" at 7027.12,8721.27 h25 r180; DIMENSION "66.92" at 7183.12,8721.27 h25 r180; DIMENSION "2.2" at 7197.12,8826.27 h25 r180; DIMENSION "86.62" at 7353.12,8826.27 h25 r180
Y12: PIN_NUMBER "2" at 7209.81,9458.23 h25 r180; PIN_NUMBER "4" at 7296.43,9391.31 h25 r180; PIN_NUMBER "1" at 7296.43,9458.23 h25 r180; PIN_NUMBER "3" at 7209.81,9391.31 h25 r180; DIMENSION "1.7" at 7027.12,9432.27 h25 r180; DIMENSION "66.92" at 7183.12,9432.27 h25 r180; DIMENSION "2.2" at 7197.12,9537.27 h25 r180; DIMENSION "86.62" at 7353.12,9537.27 h25 r180